# Altium PCB light.PcbDoc
Units mil, origin at the board's own origin, x right, y up, seen from the top; angles counter-clockwise.
Board outline 2540.01 x 3474.66 mil, 2 copper layers (Top Layer, Bottom Layer); 55 components, 42 nets, 184 pads, 113 vias.
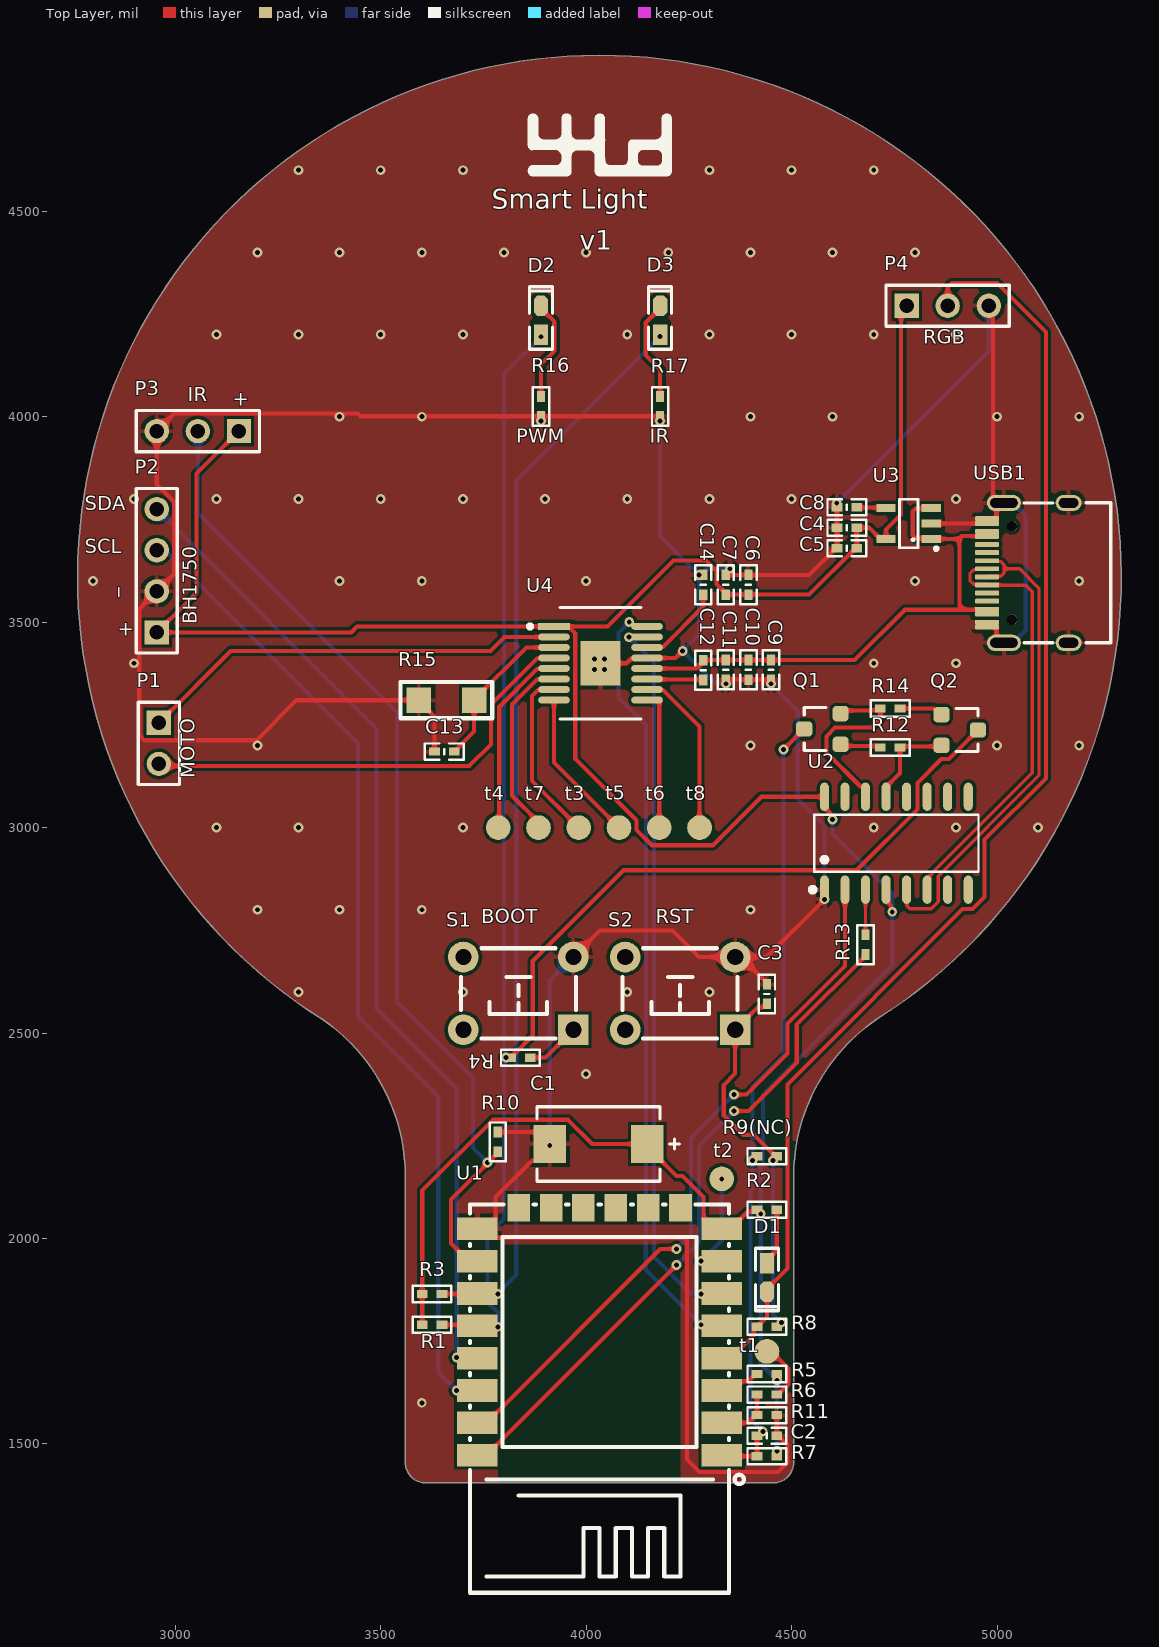
[diagram p0: Top Layer view]
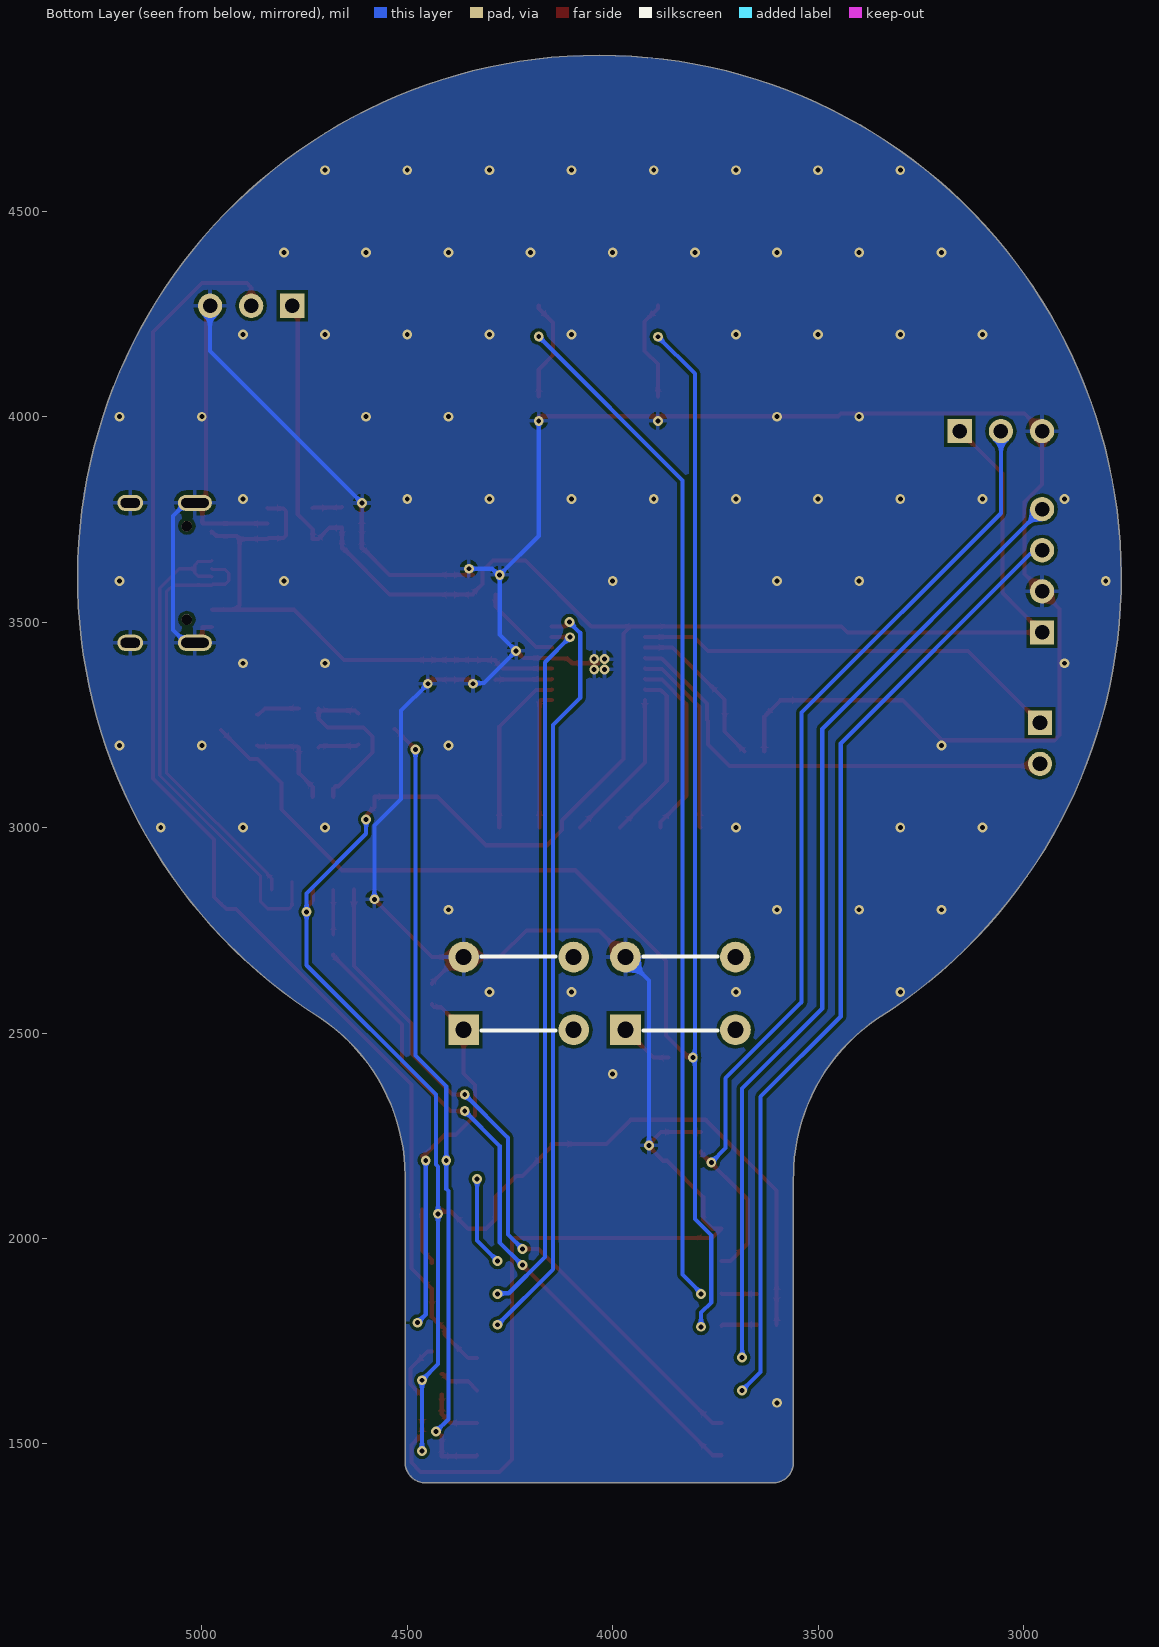
[diagram p1: Bottom Layer view, seen from below]

## Layer stack, top to bottom
Top Solder: solder mask 0.4, Solder Resist, Dk 3.5
Top Layer: signal copper 1.4
Dielectric 1: dielectric 12.6, FR-4, Dk 4.8
Bottom Layer: signal copper 1.4
Bottom Solder: solder mask 0.4, Solder Resist, Dk 3.5

## Board outline
3560,1455 3560,2150 3559.93,2152.17 ccw(c3095,2150) 3356.49,2534.43 3356.4,2534.43 cw(c4032.31,3609.65) 4708.51,2534.61 4708.51,2534.43 ccw(c4970,2150) 4505.07,2152.17 4504.88,2150 4504.88,1454.88 4505,1455 cw(c4455,1455) 4455,1405 3610,1405 cw(c3610,1455)

## Design rules (kind name [scope] priority, off if disabled: settings)
Clearance [All] p1: gap=8 ignorepadtopadclearanceinfootprint=TRUE
PolygonConnect [All] p1: connectstyle=Relief reliefconductorwidth=10 reliefentries=4 polygonreliefangle="90 Angle" airgapwidth=10
RoutingVias [All] p1: holewidth=28 width=50 viastyle="Through Hole" minholewidth=28 minwidth=50 maxholewidth=28 maxwidth=50
SolderMaskExpansion [All] p1: expansion=4 istentingtop=FALSE
Width [All] p1: maxlimit=10 minlimit=8 preferedwidth=10
30 further rules are at their usual default settings.

## Components (designator, comment, footprint, x,y, rotation, side; value= is the part's Value field where it differs from the comment)
C1 "100uF" FP-T495D107K016ATE125-MFG 4030,2230 r0 top
C2 "Cap" "C 0402_M" 4440,1520 r0 top value=470pF
C3 "Cap" "C 0402_M" 4440,2595 r90 top value=0.1uF
C4 "Cap" "C 0402_M" 4634.69,3729.84 r180 top value=0.1uF
C5 "Cap" "C 0402_M" 4634.69,3679.84 r180 top value=10uF
C6 "0402" "C 0402_M" 4395,3591 r270 top value=10uF
C7 "0402" "C 0402_M" 4340,3591 r270 top value=100nF
C8 "Cap" "C 0402_M" 4634.69,3779.84 r180 top value=10nF
C9 "Cap" "C 0402_M" 4450,3384 r270 top value=100nF
C10 "Cap" "C 0402_M" 4395,3384 r270 top value=22uF
C11 "Cap" "C 0402_M" 4340,3384 r270 top value=22uF
C12 "Cap" "C 0402_M" 4285,3383 r90 top value=10nF
C13 "" "C 0402_M" 3655,3185 r180 top value=100nF
C14 "Cap" "C 0402_M" 4285,3591 r270 top value=4.7uF
D1 "LED0" "LED 0603R" 4440,1905 r270 top
D2 "LED0" "LED 0603R" 3890.26,4235 r90 top
D3 "LED0" "LED 0603R" 4180.26,4235 r90 top
P1 "Header 2" HDR1X2 2960,3255 r270 top
P2 "Header 4" HDR1X4 2955,3475 r90 top
P3 "Header 3" HDR1X3 3155,3965 r180 top
P4 "Header 3" HDR1X3 4780,4270 r0 top
Q1 "Y1 NPN SOT23-3" SMT_TRIODE_NPN 4575,3240 r90 top
Q2 "Y1 NPN SOT23-3" SMT_TRIODE_NPN 4909.29,3237.6 r270 top
R1 "0402" "R 0402_M" 3625,1790 r0 top value=10K
R2 "Res2" "R 0402_M" 4440,2070 r0 top value=470R
R3 "0402" "R 0402_M" 3625,1865 r0 top value=10K
R4 "Res2" "R 0402_M" 3840,2440 r180 top value=470R
R5 "0402" "R 0402_M" 4440,1670 r180 top value=10K
R6 "Res2" "R 0402_M" 4440,1620 r180 top value=220K
R7 "0402" "R 0402_M" 4440,1470 r180 top value=10K
R8 "Res2" "R 0402_M" 4440,1785 r180 top value=470R
R9(NC) "Res2" "R 0402_M" 4440,2200 r180 top value=0R (schematic designator R9)
R10 "0402" "R 0402_M" 3785,2235 r270 top value=10K
R11 "Res2" "R 0402_M" 4440,1570 r0 top value=100K
R12 "Res2" "R 0402_M" 4740,3195 r180 top value=12K
R13 "Res2" "R 0402_M" 4680,2715 r90 top value=200R
R14 "Res2" "R 0402_M" 4740,3290 r0 top value=12K
R15 "Res2" "R 1206_M" 3660,3310 r180 top value=0.25R
R16 "Res2" "R 0402_M" 3890,4025 r270 top value=200R
R17 "Res2" "R 0402_M" 4180,4025 r270 top value=200R
S1 "SW-PB" "TSW DIP-6*6*5" 3835,2596.42 r180 top
S2 "SW-PB" "TSW DIP-6*6*5" 4228.86,2596.42 r180 top
t1 "test" test 4440,1725 r0 top
t2 "test" test 4330,2145 r0 top
t3 "test" test 3982,3000 r0 top
t4 "test" test 3786,3000 r0 top
t5 "test" test 4080,3000 r0 top
t6 "test" test 4178,3000 r0 top
t7 "test" test 3884,3000 r0 top
t8 "test" test 4276,3000 r0 top
U1 "ESP8266" esp8266 4345.15,1140.2 r90 top
U2 "CH340C" CH340 4551.5,2849.45 r0 top
U3 "LP2992 3V3" SOT23-5N 4785,3740 r90 top
U4 "DRV8833PWPR" FP-PWP0016C-IPC_A 4035,3400 r0 top
USB1 "Type-C" Type-C-TOP 5075,3620 r0 top

## Footprints (in the part's own frame and the unit in brackets; to place one, negate y for a bottom-side part, rotate by r counter-clockwise, add the part's x,y. Pads: shape width x height; smd on the part's side, far side on the other; paste and mask are expansions set on the pad)
"C 0402_M" [mil] "无极性贴片电容"
  rect 26x20 smd: 1(-24,0) 2(24,0)
  silkscreen extent -47,-20 47,20, body extent -20,-10 20,10, height 21
CH340 [mil]
  oval 22x68.7 smd mask+2: 1(28.5,-0.65) 2(78.5,-0.65) 3(128.5,-0.65) 4(178.5,-0.65) 5(228.5,-0.65) 6(278.5,-0.65) 7(328.5,-0.65) 8(378.5,-0.65) 9(378.5,225.55) 10(328.5,225.55) 11(278.5,225.55) 12(228.5,225.55) 13(178.5,225.55) 14(128.5,225.55) 15(78.5,225.55) 16(28.5,225.55)
  silkscreen extent -6,-7 403,182, body extent 8,-10 402,230, height 67
esp8266 [mil]
  rect 55.1x98.4 smd mask+2: 1(332.3,15.15) 2(411,15.15) 3(489.8,15.15) 4(568.5,15.15) 5(647.3,15.15) 6(726,15.15) 7(804.7,15.15) 8(883.5,15.15) 9(883.5,609.65) 10(804.7,609.75) 11(726,609.75) 12(647.3,609.75) 13(568.5,609.65) 14(489.8,609.75) 15(411,609.75) 16(332.3,609.75)
  rect 66.9x55.1 smd mask+2: 17(934.7,115.65) 18(934.6,194.25) 19(934.7,272.95) 20(934.7,351.75) 21(934.7,430.45) 22(934.7,509.15)
  silkscreen extent -2,-39 942,627, body extent -1,-5 944,625, height 126
FP-PWP0016C-IPC_A [mm]
  rect 1.955x0.421 smd paste+0 mask+0: 1(-2.875,2.275)
  rrect100% 1.955x0.421 smd paste+0 mask+0: 2(-2.875,1.625) 3(-2.875,0.975) 4(-2.875,0.325) 5(-2.875,-0.325) 6(-2.875,-0.975) 7(-2.875,-1.625) 8(-2.875,-2.275) 9(2.875,-2.275) 10(2.875,-1.625) 11(2.875,-0.975) 12(2.875,-0.325) 13(2.875,0.325) 14(2.875,0.975) 15(2.875,1.625) 16(2.875,2.275)
  rect 2.46x2.77 smd paste-1000 mask+0: 17(0,0)
  silkscreen extent -4.48,-3.45 2.5,3.45, body extent -4.35,-3 4.35,3, height 0.25
FP-T495D107K016ATE125-MFG [mm]
  rect 1.99x2.33 smd paste+0 mask+0: 1(-3.01,0) 2(3.01,0)
  silkscreen extent -3.8,-2.3 5,2.3, body extent -4.11,-2.4 4.11,2.4, height 0.25
HDR1X2 [mm] "Connector; Header; 2 Position"
  rect 1.5x1.5 hole 0.9: 1(0,0)
  round 1.5 hole 0.9: 2(2.54,0)
  silkscreen extent -1.27,-1.27 3.81,1.27
HDR1X3 [mm] "Connector; Header; 3 Position"
  rect 1.5x1.5 hole 0.9: 1(0,0)
  round 1.5 hole 0.9: 2(2.54,0) 3(5.08,0)
  silkscreen extent -1.27,-1.27 6.35,1.27
HDR1X4 [mm] "Connector; Header; 4 Position"
  rect 1.5x1.5 hole 0.9: 1(0,0)
  round 1.5 hole 0.9: 2(2.54,0) 3(5.08,0) 4(7.62,0)
  silkscreen extent -1.27,-1.27 8.89,1.27
"LED 0603R" [mil] "红色0603LED                                           淘宝ID:黄晶宝石"
  rect 50x35 smd: 1(-35,0.26)
  oct 50x35 smd: 2(35,0.26)
  silkscreen extent -71,-28 81,28, body extent -31,-16 31,16, height 18
"R 0402_M" [mil] "1/16W贴片电阻"
  rect 26x20 smd: 1(-24,0) 2(24,0)
  silkscreen extent -47,-20 47,20, body extent -20,-10 20,10, height 12
"R 1206_M" [mil] "1/4W贴片电阻"
  rect 60x62.99 smd: 1(-67.5,0) 2(67.5,0)
  silkscreen extent -112,-44 112,44, body extent -63,-31 63,32, height 22
SMT_TRIODE_NPN [mm]
  rrect50% 0.95x1 smd: 1(-0.95,-1.125) 2(0.95,-1.125) 3(0,1.125)
  silkscreen extent -1.33,-0.22 1.32,1.13, body extent -1.45,-1.4 1.45,1.4, height 1.3
SOT23-5N [mm] "3x1.6x1.1mm(长宽高)"
  rect 0.5x1.2 smd: 1(-0.95,-1.4) 2(0,-1.4) 3(0.95,-1.4) 4(0.95,1.4) 5(-0.95,1.4)
  silkscreen extent -1.63,-1.78 1.5,0.56, body extent -1.5,-1.4 1.5,1.4, height 1.15
test [mil]
  round 60 smd: 1(0,0)
"TSW DIP-6*6*5" [mm] "6*6*5mm"
  rect 1.9x1.9 hole 1: 1(-3.4,2.25)
  round 1.9 hole 1: 2(-3.4,-2.25) 3(3.4,-2.25) 4(3.4,2.25)
  silkscreen extent -3.56,-2.79 3.56,2.79, body extent -4.11,-3 4.11,3, height 4.95
Type-C-TOP [mm]
  round 0.65 hole 0.65: 0(-0.98,-2.89) 0(-0.98,2.89)
  oval 1.6x1 hole 0.6 slot 1.2 at 0 deg: 1(2.52,4.325) 2(2.52,-4.325)
  oval 2.1x1 hole 0.6 slot 1.7 at 0 deg: 3(-1.48,-4.325) 4(-1.48,4.325)
  rrect50% 1.5x0.3 smd: A1(-2.52,-3.35) A4(-2.52,-2.55) A5(-2.52,-1.25) A6(-2.52,-0.25) A7(-2.52,0.25) A8(-2.52,1.25) A9(-2.52,2.55) A12(-2.52,3.35) B1(-2.52,3.05) B4(-2.52,2.25) B5(-2.52,1.75) B6(-2.52,0.75) B7(-2.52,-0.75) B8(-2.52,-1.75) B9(-2.52,-2.25) B12(-2.52,-3.05)
  silkscreen extent -0.22,-4.33 5.12,4.33, body extent -2.57,-4.48 5.18,4.48, height 3.26

## Part data
C1: library part CMP-2000-07207-2, "CAP TANT 100UF 10% 16V 2917", Case Code (Imperial)=2917, Case Code (Metric)=7343, Dielectric Material=Tantalum, ESR (Equivalent Series Resistance)=125mR, Max Operating Temperature=125°C, Min Operating Temperature=-55°C, Package Quantity=1, Tolerance=10%, Voltage=16V, Capacitance=100uF, Case/Package=2917, Construction=Flat, Depth=4.3mm, Dissipation Factor=8%, Failure Rate=0.001%, Features="General Purpose", Height=2.8mm, Height - Seated (Max)=0.122inch, Length=7.3mm, Life (Hours)=2000Hour, Mount="Surface Mount", Number of Pins=2, Packaging="Tape and Reel", Polarity=Polar, Radiation Hardening=No, REACH SVHC="No SVHC", RoHS Compliant=Yes, Series=T495, Termination=SMD/SMT, Voltage Rating=16V, Voltage Rating (DC)=16V, Weight=0.023634oz, Width=0.169inch
C2 C3 C4 C5 C6 C7 C8 C9 C10 C11 C12 C13 C14: library part "Cap Semi", "Capacitor (Semiconductor SIM Model)", LatestRevisionDate=29-May-2009, LatestRevisionNote="IPC-7351 Footprint Added.", PackageDescription="Chip Capacitor", PackageReference=C1206, Published=8-Jun-2000, Publisher="Altium Limited"
D1 D2 D3: "Typical INFRARED GaAs LED", LatestRevisionDate=08-Jul-2005, LatestRevisionNote="Mech Layer 1 removed.", PackageDescription="LED; 2 Leads", PackageReference=LED-0, Published=8-Jun-2000, Publisher="Altium Limited"
P1: "Header, 2-Pin", LatestRevisionDate=17-Jul-2002, LatestRevisionNote="Re-released for DXP Platform.", Publisher="Altium Limited"
P2: "Header, 4-Pin", LatestRevisionDate=17-Jul-2002, LatestRevisionNote="Re-released for DXP Platform.", Publisher="Altium Limited"
P3 P4: "Header, 3-Pin", LatestRevisionDate=17-Jul-2002, LatestRevisionNote="Re-released for DXP Platform.", Publisher="Altium Limited"
Q1 Q2: library part S8050
R1 R3 R5 R7 R10: library part Res2, "Resistor", LatestRevisionDate=17-Jul-2002, LatestRevisionNote="Re-released for DXP Platform.", PackageDescription="Axial Device, Thru-Hole; 2 Leads; 0.4 in Pin Spacing", PackageReference=AXIAL-0.4, Published=8-Jun-2000, Publisher="Altium Limited"
R2 R4 R6 R8 R9(NC) R11 R12 R13 R14 R15 R16 R17: "Resistor", LatestRevisionDate=17-Jul-2002, LatestRevisionNote="Re-released for DXP Platform.", PackageDescription="Axial Device, Thru-Hole; 2 Leads; 0.4 in Pin Spacing", PackageReference=AXIAL-0.4, Published=8-Jun-2000, Publisher="Altium Limited"
S1 S2: "Switch", LatestRevisionDate=17-Jul-2002, LatestRevisionNote="Re-released for DXP Platform.", PackageDescription="Switch; 2 Leads", PackageReference=SPST-2, Published=24-Mar-1999, Publisher="Altium Limited"
U3: library part LP2992, "LDO"
U4: library part CMP-1529-00004-3, "IC MOTOR DRIVER PAR 16HTSSOP", Case/Package=HTSSOP, Max Operating Temperature=85°C, Max Output Current=2A, Max Supply Voltage=10.8V, Min Operating Temperature=-40°C, Min Supply Voltage=2.7V, Nominal Supply Current=3mA, Output Current=1.5A, Package Quantity=2000, Fault Protection="Over Temperature", Interface=PWM, Lead Free="Lead Free", Number of Outputs=2, Number of Pins=16, Output Current per Channel=1.5A, Packaging="Tape and Reel", Radiation Hardening=No, REACH SVHC="No SVHC", RMS Current (Irms)=1.5A, RoHS Compliant=Yes, Series=DRV8833, Supply Current=3mA, Technology=NMOS
USB1: library part USB-Type-C-TOP

## Via types
v1: diameter 24, hole 12, Top Layer to Bottom Layer, tented both sides, 71 vias
v2: diameter 24/24 (per signal layer), hole 12, Top Layer to Bottom Layer, tented both sides, 42 vias

## Nets (pads, with @x,y where several pads share a name; then routed paths per layer and width w, separated by ;. In a path a pad name is that pad's centre, name@x,y a point inside that pad or via, vN(x,y) a via of type N, cw(c..) or ccw(c..) an arc to the next point about the centre after c; other vN are vias at no path point)
3V3: C1.2 C4.1 C5.1 C6.2 C7.2 P2.1 P3.1 P4.1 R1.1 R2.1 R3.1 R5.1 R7.1 U1.8 U2.4 U2.16 U3.5 U4.1 | length 7498.9
  Top Layer w10: P3.1 3051.54,3861.54 3051.54,3571.54 3012.47,3532.47 P2.1 3428.27,3475 3442.84,3489.57 U4.1 3959.8,3489.57 4052.12,3489.57 4212.55,3650 4291.38,3650 4317,3624.38 4317,3593 4340,3570 C7.2 C6.2 4542.84,3567 4655.69,3679.84 C5.1 C4.1 4688.86,3729.84 4716.1,3702.6 U3.5 4729.88,3725.55 4749.14,3744.81 4766.5,3762.17 4766.5,4256.5 P4.1 ; R1.1 R3.1 3601,2116.38 3773.48,2288.87 3956.05,2288.87 4014.92,2230 C1.2 4148.5,2223.31 4219.96,2151.85 4234.76,2151.85 4285.8,2100.81 4285.8,2046.25 4308.35,2023.7 U1.8 4351.65,2023.7 4392.95,2065 4411,2065 R2.1 ; U4.1@3959.8,3486.28 3973.57,3472.51 3973.57,3167.24 4123,3017.81 4123,2994.19 4160.19,2957 4308.32,2957 4426.32,3075 U2.16 4580,3049.52 4597.32,3032.2 4597.32,3022.68 v2(4600,3020) ; U2.4 4730,2822.2 4742.32,2809.88 4742.32,2797.68 v2(4745,2795)
  Bottom Layer w10: v2(4464.17,1482.9) v2(4464.21,1654.9) 4425,1694.11 v2(4425,2060) 4425,2174.64 4430,2179.64 4430,2350 4745,2665 v2(4745,2795) 4745,2840 4600,2985 v2(4600,3020)
A_IN1: U1.5 U4.16 | length 1851.8
  Top Layer w10: v2(4105,3500) 4106.28,3500 4116.71,3489.57 U4.16
  Bottom Layer w10: v2(4105,3500) 4079.07,3474.07 4079.07,3315.93 4145.4,3249.6 4145.4,1990.4 4145,1990 4145,1925 v2(4280,1790)
A_IN2: U1.6 U4.15 | length 1730.5
  Top Layer w10: v2(4104.07,3463.34) 4104.39,3463.66 4147.89,3463.66 U4.15
  Bottom Layer w10: v2(4104.07,3463.34) 4165,3402.42 4165,1954.64 4253,1866.64 4278.36,1866.64 v2(4280,1865)
ADC: R6.2 R11.1 U1.2 | length 142
  Top Layer w10: U1.2 4394.2,1551.2 4416,1573 R6.2
ADC_EK: R6.1 t1.1 | length 146
  Top Layer w10: t1.1 4450.38,1725 4492,1683.38 4492,1645 4467,1620 R6.1
BH-SCL: P2.3 U1.14 | length 2359.1
  Bottom Layer w10: P2.3 2964.39,3665.61 2984.39,3665.61 3445,3205 3445,2540 3640,2345 3640,1675 3660.49,1654.51 v2(3685,1630)
BH-SDA: P2.4 U1.13 | length 2367.4
  Bottom Layer w10: P2.4 3490,3240 3490,2560 3685,2365 v2(3685,1710)
DTR: Q2.2 R12.1 U2.13 | length 237.2
  Top Layer w10: U2.13 4730,3098.35 4764,3132.35 R12.1 4766.6,3197.6 4862.4,3197.6 Q2.2
EN: R5.2 U1.3 | length 102.6
  Top Layer w10: U1.3 4352.55,1652.55 4395.55,1652.55 4413,1670 R5.2
GND: C1.1 C2.2 C3.2 C4.2 C5.2 C6.1 C7.1 C8.2 C9.2 C10.2 C11.2 C13.2 C14.1 P2.2 P3.3 P4.3 R10.1 R11.2 R15.2 R16.2 R17.2 S1.2 S2.2 U1.9 U2.1 U3.2 U4.13 U4.17 USB1.1 USB1.2 USB1.3 USB1.4 USB1.A1 USB1.A12 USB1.B1 USB1.B12 | length 10070.3
  Top Layer w10: C13.2 3631,3270 3592.5,3308.5 R15.2 3295.06,3310 3197.53,3212.47 2925.09,3212.47 2912.47,3225.09 2912.47,3532.47 P2.2 2997.53,3617.53 2997.53,3792.62 2955,3835.14 P3.3 2997.53,4007.53 3444.64,4007.53 3451.16,4001 R16.2 R17.2 ; R10.1 3882.5,2259 C1.1 v2(3911.5,2226.65) 3911.5,2223.31 3877.32,2189.13 3868.02,2189.13 3779.7,2100.81 3779.7,2046.25 3757.15,2023.7 U1.9 3758.05,2001.15 4239.14,2001.15 4245,1995.29 4245,1462.37 4275.42,1431.95 4467.33,1431.95 4490,1454.62 4490,1497 4467,1520 C2.2 R11.2 ; S1.2 4033.86,2750 4210,2750 4275,2685 S2.2 S2.2@4377,2685 ; U4.17 4098.43,3400 4109.96,3411.54 4146.95,3411.54 U4.13 4217.8,3412.8 v2(4235,3430) ; C11.2 C10.2 C9.2 ; C7.1 C6.1 4542.84,3615 4607.69,3679.84 C5.2 C4.2 C8.2 ; C3.2 4440,2622 S2.2@4377,2685 ; U2.1 v2(4580,2825.45) 4439.55,2685 S2.2@4377,2685 ; U3.2 4840.16,3740.04 4997.78,3740.04 4998.72,3740.98 4998.72,3751.89 4998.72,3776.71 5012.29,3790.28 5003.57,3790.28 4990,3803.84 4990,4239.61 4989.39,4240.23 4989.39,4260.61 P4.3 ; USB1.A1 4997.81,3488.11 4998.72,3487.2 4998.72,3463.29 5012.29,3449.72 USB1.3
  Bottom Layer w10: v2(3911.5,2226.65) 3911.5,2627.64 S1.2 ; v2(4180,3990) 4180,3710 v2(4275,3615) ; v2(4340,3350) 4338,3352 4313,3352 v2(4235,3430) 4275,3470 v2(4275,3615) ; v2(4350,3630) 4293.79,3630 4278.79,3615 v2(4275,3615) ; v2(4450,3350) 4515,3285 4515,3069.64 4580,3004.64 v2(4580,2825.45) ; v2(4610,3790) 4980,4160 P4.3 ; USB1.3 5038.39,3449.72 5070,3481.34 5070,3758.66 5038.39,3790.28 USB1.4
  other v1: 3600,1600 4000,2400 3300,2600 3700,2600 4100,2600 4300,2600 3200,2800 3400,2800 3600,2800 4400,2800 3100,3000 3300,3000 3700,3000 4700,3000 4900,3000 5100,3000 3200,3200 4400,3200 5000,3200 5200,3200 2900,3400 4700,3400 4900,3400 2800,3600 3400,3600 3600,3600 4000,3600 4800,3600 5200,3600 2900,3800 3100,3800 3300,3800 3500,3800 3700,3800 3900,3800 4100,3800 4300,3800 4500,3800 4900,3800 3400,4000 3600,4000 4400,4000 4600,4000 5000,4000 5200,4000 3100,4200 3300,4200 3500,4200 3700,4200 4100,4200 4300,4200 4500,4200 4700,4200 4900,4200 3200,4400 3400,4400 3600,4400 3800,4400 4000,4400 4200,4400 4400,4400 4600,4400 4800,4400 3300,4600 3500,4600 3700,4600 3900,4600 4100,4600 4300,4600 4500,4600 4700,4600
  other v2: 4020,3385 4045,3385 4020,3410 4045,3410 3890,3990
GPIO0: D2.1 Q2.3 R1.2 R4.2 U1.12 | length 4174.8
  Top Layer w10: R1.2 3732.9,1790 U1.12 ; R4.2 3819,2440 3824,2445 3824,2448 3870,2494 3870,2675 4091.15,2896.15 4658.44,2896.15 4806,3043.71 4806,3108.29 4864.28,3166.57 4882.67,3166.57 4953.58,3237.49 Q2.3
  Bottom Layer w10: v2(3785,1785) 3785,1819.57 3760,1844.57 3760,2007.46 3800,2047.46 3800,4104.68 v2(3889.87,4194.55)
  other v2: 3805,2440
GPIO2: D3.1 R3.2 U1.11 | length 2580.5
  Top Layer w10: R3.2 3734.2,1865 U1.11
  Bottom Layer w10: v2(3785,1865) 3785,1867.18 3830,1912.18 3830,3845 v2(4180,4195)
GPIO13: t2.1 U1.7 | length 220.7
  Bottom Layer w10: v2(4280,1945) 4330,1995 v2(4330,2145)
GPIO15: P3.2 R10.2 U1.10 | length 2424.5
  Top Layer w10: U1.10 3713.75,1944.9 3671.3,1987.35 3671.3,2094.3 3785,2208 R10.2
  Bottom Layer w10: P3.2 3055,3765 3540,3280 3540,2575 3725,2390 3725,2220 v2(3760,2185)
GPIO16: D1.2 P4.2 R8.2 U1.4 | length 3189.8
  Top Layer w10: U1.4 4351.65,1708.7 4408,1765.05 4408,1780 4413,1785 R8.2 4440.26,1809.26 D1.2 4440.26,1877.5 4490,1927.24 4490,2375 4916.45,2801.45 4939.94,2801.45 4954,2815.51 4970,2831.51 4970,2970.64 5119.07,3119.71 5119.07,4205.93 5000,4325 4890,4325 4880,4315 P4.2
NetC3_1: C3.1 R8.1 R9(NC).1 S2.1 | length 898.4
  Top Layer w10: C3.1 4440,2568 4435,2563 4417.88,2563 S2.1 4362.72,2401.4 4335,2373.68 4335,2299.64 4382.32,2252.32 4408.68,2252.32 4461,2200 4464,2200
  Bottom Layer w10: v2(4455,2190) 4455,1815 v2(4475,1795)
NetC8_1: C8.1 U3.4 | length 72.2
  Top Layer w10: C8.1 4659.91,3778.62 4728.66,3778.62 U3.4
NetC12_1: C12.1 U4.11 | length 137.9
  Top Layer w10: U4.11 4149.46,3360.36 4283.64,3360.36 C12.1
NetC13_1: C13.1 R15.1 U4.3 | length 393.4
  Top Layer w10: C13.1 3727.5,3233.5 R15.1 3727.5,3311.5 3854.39,3438.39 U4.3
NetC14_2: C14.2 U4.14 | length 207.3
  Top Layer w10: U4.14 4149.46,3439.64 4187.01,3439.64 4285,3537.64 C14.2
NetD1_1: D1.1 R2.2 | length 139.8
  Top Layer w10: D1.1 4440.26,1947.5 4464,1971.24 R2.2
NetD2_2: D2.2 R16.1 | length 247.9
  Top Layer w10: R16.1 3890,4127.86 3922.5,4160.36 3922.5,4231.21 3890,4263.71 D2.2
NetD3_2: D3.2 R17.1 | length 250
  Top Layer w10: R17.1 4180,4115 4145,4150 4145,4228.71 4180,4263.71 D3.2
NetP1_1: P1.1 U4.2 | length 1048.4
  Top Layer w10: P1.1 3135,3430 3767.62,3430 3801.6,3463.98 U4.2
NetP1_2: P1.2 U4.4 | length 1129.2
  Top Layer w10: P1.2 2965,3150 3715.38,3150 3768,3202.62 3768,3259 3770.5,3261.5 3770.5,3301.47 3880.57,3411.54 3920.54,3411.54 U4.4
NetQ1_1: Q1.1 R12.2 | length 99.9
  Top Layer w10: Q1.1 4623.09,3198.8 4712.2,3198.8 R12.2
NetQ2_1: Q2.1 R14.2 | length 107.2
  Top Layer w10: R14.2 4846.66,3290 4861.66,3275 Q2.1
NetR4_1: R4.1 S1.1 | length 133
  Top Layer w10: R4.1 3901.02,2440 S1.1
NetR13_2: R13.2 U2.3 | length 109.8
  Top Layer w8: R13.2 U2.3
Nett3_1: t3.1 U4.7 | length 427.3
  Top Layer w10: U4.7 3920.54,3334.77 3882.99,3334.77 3868.3,3320.08 3868.3,3113.7 t3.1
Nett4_1: t4.1 U4.5 | length 466.9
  Top Layer w10: t4.1 3788.5,3002.5 3788.5,3294.01 3880.43,3385.95 3920.54,3385.95 U4.5
Nett5_1: t5.1 U4.8 | length 376
  Top Layer w10: U4.8 3921.8,3158.2 t5.1
Nett6_1: t6.1 U4.9 | length 338.5
  Top Layer w10: U4.9 4174.97,3310.43 4178,3307.4 t6.1
Nett7_1: t7.1 U4.6 | length 453.9
  Top Layer w10: t7.1 3884,3013.53 3820,3077.53 3820,3300.06 3880.3,3360.36 3920.54,3360.36 U4.6
Nett8_1: t8.1 U4.10 | length 411
  Top Layer w10: U4.10 4149.46,3334.77 4187.01,3334.77 4276,3245.77 t8.1
nRST: C2.1 Q1.3 R7.2 R9(NC).2 U1.1 | length 1914
  Top Layer w10: U1.1 4332.5,1470 R7.2 C2.1 ; v2(4480,3190) 4530,3240 Q1.3
  Bottom Layer w10: v2(4430,1530) 4400,1560 4400,2115.43 4405,2120.43 v2(4405,2190) 4405,2370 4480,2445 v2(4480,3190)
RTS: Q1.2 R14.1 U2.14 | length 467
  Top Layer w10: Q1.2 4626.89,3285 4711,3285 R14.1 4716,3265 4694.52,3243.52 4606.09,3243.52 4584.61,3222.03 4584.61,3183.16 4667.12,3100.65 4674.46,3100.65 4680,3095.1 U2.14
RXD: U1.15 U2.2 | length 1721.3
  Top Layer w10: U1.15 3757.05,1551.2 4180.37,1974.52 4219.52,1974.52 v2@4220,1975 ; v2(4360,2350) 4390,2350 4490,2450 4490,2523.46 4630,2663.46 U2.2
  Bottom Layer w10: v2@4220,1975 4255,2010 4255,2245 v2(4360,2350)
  other v2: 4219.76,1974.76
TXD: R13.1 U1.16 | length 1639.5
  Top Layer w10: U1.16 3757.05,1472.5 v2(4219.77,1935.22) ; v2(4360,2310) 4395,2310 4512.5,2427.5 4512.5,2520.5 4680,2688 R13.1
  Bottom Layer w10: v2@4222.5,1937.5 4275,1990 4275,2225 v2(4360,2310)
USB_D+: U2.5 USB1.A6 USB1.B6 | length 1224.5
  Top Layer w8: U2.5@4780.54,2868.58 4780.54,2809.46 4787.55,2802.45 4839.53,2802.45 4857,2819.92 4857,2881.68 5102.07,3126.75 5102.07,3582.93 5055.16,3629.84 5017.32,3629.84 ; USB1.A6 4977.57,3611.94 5008.56,3611.94 5017.32,3620.7 5017.32,3629.84 ; USB1.B6 4977.57,3647.75 5008.56,3647.75 5017.32,3638.99 5017.32,3629.84
USB_D-: U2.6 USB1.A7 USB1.B7 | length 1058.2
  Top Layer w8: U2.6 4830,2875.94 4841,2886.94 4841,2888.3 5086.07,3133.38 5086.07,3573.93 5070,3590 USB1.B7@4975.79,3590 ; USB1.B7 4974.01,3592.25 4943.02,3592.25 4934.26,3601.01 4934.26,3619.3 4943.02,3628.06 4974.01,3628.06 USB1.A7
VDD_5V: C9.1 C10.1 C11.1 C12.2 U3.1 U3.3 U4.12 USB1.A4 USB1.A9 USB1.B4 USB1.B9 | length 1363.5
  Top Layer w10: U4.12 4268.2,3387.2 4285,3404 C12.2 4285.5,3407.5 4339.5,3407.5 C11.1 C10.1 C9.1 4653.69,3408 4775.88,3530.2 4920,3530.2 ; U3.3 4839.21,3776.5 4801.5,3776.5 4795,3770 4795,3710.86 4801.5,3704.36 4838.35,3704.36 U3.1 4908.37,3702.6 ; USB1.B9@4974.57,3530.2 4920,3530.2 ; USB1.A9 4965.2,3709.8 4915.57,3709.8 4908.37,3702.6 ; 4908.37,3702.6 4908.37,3541.83 4920,3530.2
pads on no net: S1.3 S1.4 S2.3 S2.4 U1.17 U1.18 U1.19 U1.20 U1.21 U1.22 U2.7 U2.8 U2.9 U2.10 U2.11 U2.12 U2.15 USB1.0 USB1.A5 USB1.A8 USB1.B5 USB1.B8

## Polygon pours and split planes (outlines as drawn)
GND on Top Layer "GND_L01_P001" (solid, remove dead copper, pour order 1): 3560,1455 3560,2150 3559.93,2152.17 ccw(c3095,2150) 3356.49,2534.43 3356.4,2534.43 cw(c4032.31,3609.65) 4708.51,2534.61 4708.51,2534.43 ccw(c4970,2150) 4505.07,2152.17 4504.88,2150 4504.88,1454.88 4505,1455 cw(c4455,1455) 4455,1405 3610,1405 cw(c3610,1455)
GND on Top Layer "GND_L01_P000" (solid, remove dead copper, pour order 0): 3560,1455 3560,2150 3559.93,2152.17 ccw(c3095,2150) 3356.49,2534.43 3356.4,2534.43 cw(c4032.31,3609.65) 4708.51,2534.61 4708.51,2534.43 ccw(c4970,2150) 4505.07,2152.17 4504.88,2150 4504.88,1454.88 4505,1455 cw(c4455,1455) 4455,1405 3610,1405 cw(c3610,1455)
GND on Bottom Layer "GND_L02_P002" (solid, remove dead copper, pour order 2): 3560,1455 3560,2150 3559.93,2152.17 ccw(c3095,2150) 3356.49,2534.43 3356.4,2534.43 cw(c4032.31,3609.65) 4708.51,2534.61 4708.51,2534.43 ccw(c4970,2150) 4505.07,2152.17 4504.88,2150 4504.88,1454.88 4505,1455 cw(c4455,1455) 4455,1405 3610,1405 cw(c3610,1455)

## Other copper
Top Layer:
  pour cut-out: 3794.7,1986.15 3785,1976.45 3785,1405 4230,1405 4230,1986.15

## Silkscreen, mask and mechanical layers (free items; w line width, h text height)
Top Overlay:
  region: 1700 vertices and 1 holes, not listed, extent 3858.32,4585.52 4208.27,4737.87
  text "Smart Light" at 3770.51,4490 h80
  text "v1" at 3984.6,4390 h80
  text "RGB" at 4820,4165 h60
  text "IR" at 3030,4025 h60
  text "+" at 3140,4015 h60
  text "PWM" at 3830,3925 h60
  text "IR" at 4155,3925 h60
  text "SDA" at 2780,3760 h60
  text "SCL" at 2780,3655 h60
  text "_" at 2866.51,3560 h60 r90
  text "BH1750" at 3064.5,3495 h60 r90
  text "+" at 2860,3455 h60
  text "MOTO" at 3060,3120 h60 r90
  text "BOOT" at 3745,2755 h60
  text "RST" at 4170,2755 h60
Mechanical 13:
  lines w10: 3356.4,2534.43 cw(c4032.31,3609.65) 4708.51,2534.61 ; 3356.49,2534.43 cw(c3095,2150) 3559.93,2152.17 ; 3560,2150 3560,1455 ccw(c3610,1455) 3610,1405 4455,1405 ccw(c4455,1455) 4505,1455 ; 4504.88,1454.88 4504.88,2150 ; 4505.07,2152.17 cw(c4970,2150) 4708.51,2534.43